# Altium PCB fpga.PcbDoc (part 7 of 11)
Units mm, origin at the board's own origin, x right, y up, seen from the top; angles counter-clockwise.
Board outline 210 x 210 mm, 2 copper layers (Top Layer, Bottom Layer), stack 1.591 mm thick; 639 components, 1839 nets, 4759 pads, 4016 vias.
Unrouted connection lines stored in the file: 10.
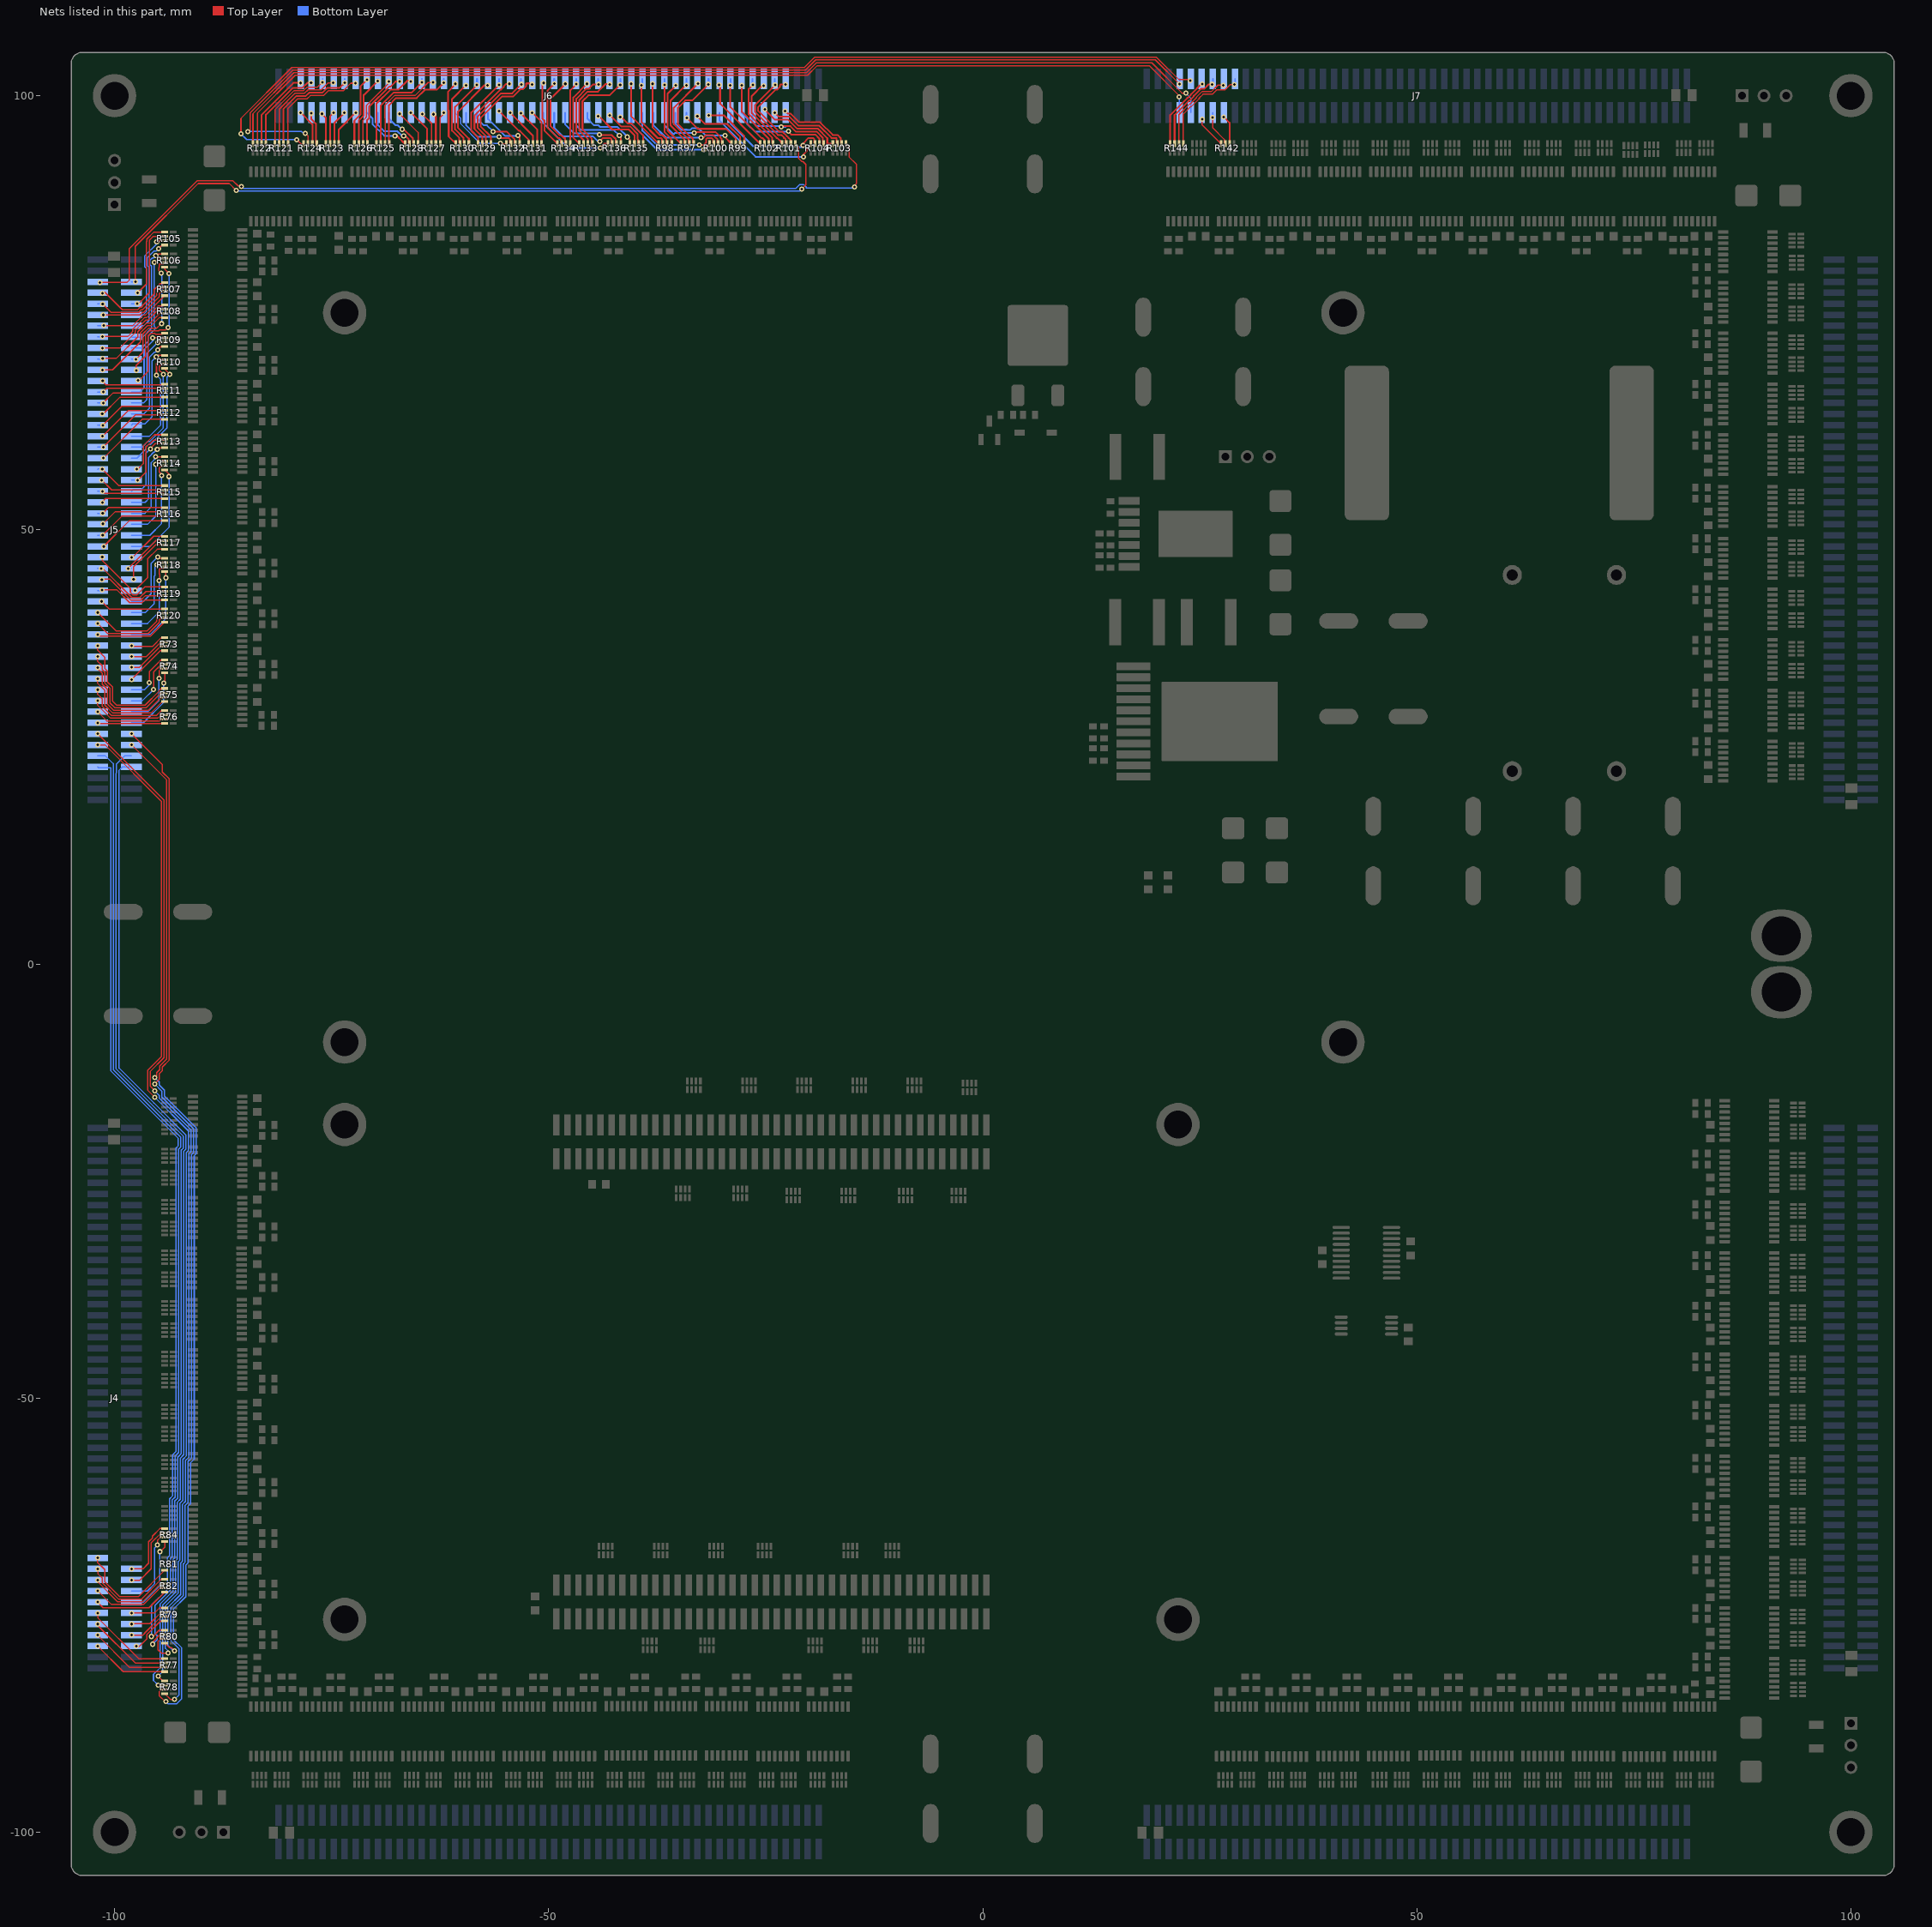
[diagram p7: the nets of this part, all layers, seen from the top]

## Via types
v1: diameter 0.6, hole 0.3, Top Layer to Bottom Layer, tented both sides, 3924 vias
v2: diameter 0.8, hole 0.4, Top Layer to Bottom Layer, tented both sides, 89 vias
v3: diameter 0.6, hole 0.3, Top Layer to Bottom Layer, 3 vias

## Nets (pads, with @x,y where several pads share a name; then routed paths per layer and width w, separated by ;. In a path a pad name is that pad's centre, name@x,y a point inside that pad or via, vN(x,y) a via of type N, cw(c..) or ccw(c..) an arc to the next point about the centre after c; other vN are vias at no path point) (continued)
NetJ4_80: J4.80 R81.8 | length 12
  Top Layer w0.15: v1(-101.95,-68.415) -101.956,-68.421 -101.956,-68.937 -101.125,-69.768 -101.125,-71.158 -99.396,-72.887 -97.271,-72.887 R81.8@-94.234,-69.85
NetJ4_81: J4.81 R84.5 | length 7.3
  Top Layer w0.15: v1(-98.05,-69.685) -96.736,-69.685 -96.083,-69.032 -96.083,-66.558 -95.649,-66.124 -95.649,-65.905 -94.779,-65.036 R84.5@-94.226,-65.036
NetJ4_82: J4.82 R82.5 | length 10.9
  Top Layer w0.15: v1(-101.95,-69.685) -101.95,-69.616 -101.93,-69.596 -101.93,-70.232 -101.425,-70.738 -101.425,-71.282 -99.52,-73.187 -96.936,-73.187 -94.623,-70.874 R82.5@-94.234,-70.874
NetJ4_83: J4.83 R84.6 | length 7.9
  Top Layer w0.15: v1(-98.05,-70.955) -98.044,-70.961 -98.044,-70.993 -97.104,-70.993 -95.783,-69.672 -95.783,-66.683 -94.637,-65.536 R84.6@-94.226,-65.536
NetJ4_84: J4.84 R82.6 | length 9.8
  Top Layer w0.15: v1(-101.95,-70.955) -101.937,-70.942 -101.905,-70.942 -101.905,-71.226 -99.644,-73.487 -96.804,-73.487 -94.691,-71.374 R82.6@-94.234,-71.374
NetJ4_85: J4.85 R84.7 | length 9.2
  Top Layer w0.15: v1(-95.072,-66.904) -95.072,-66.396 -94.666,-65.989 -94.619,-66.036 R84.7@-94.226,-66.036
  Bottom Layer w0.15: J4.85@-98.05,-72.225 -96.228,-72.225 -95.377,-71.374 -95.377,-67.234 -95.047,-66.904 v1(-95.072,-66.904)
NetJ4_86: J4.86 R82.7 | length 9.2
  Top Layer w0.15: v1(-101.93,-72.212) -100.355,-73.787 -96.672,-73.787 -94.759,-71.874 R82.7@-94.234,-71.874
  Bottom Layer w0.15: J4.86@-101.95,-72.225 -101.943,-72.225 v1(-101.93,-72.212)
NetJ4_87: J4.87 R84.8 | length 9.5
  Top Layer w0.15: v1(-94.793,-67.691) -94.793,-67.767 -94.226,-67.2 R84.8@-94.226,-66.536
  Bottom Layer w0.15: J4.87@-98.05,-73.495 -96.66,-73.495 -94.793,-71.628 v1(-94.793,-67.691)
NetJ4_88: J4.88 R82.8 | length 8.8
  Top Layer w0.15: v1(-101.95,-73.495) -101.994,-73.495 -101.321,-74.168 -96.028,-74.168 R82.8@-94.234,-72.374
NetJ4_89: J4.89 R79.5 | length 4.1
  Top Layer w0.15: v1(-98.05,-74.765) -95.415,-74.765 -94.83,-74.18 R79.5@-94.226,-74.18
NetJ4_90: J4.90 R77.5 | length 10.2
  Top Layer w0.15: v1(-101.95,-74.765) -101.918,-74.765 -101.918,-75.298 -101.93,-75.311 -97.223,-80.018 R77.5@-94.234,-80.018
NetJ4_91: J4.91 R79.6 | length 4.4
  Top Layer w0.15: v1(-98.05,-76.035) -98.012,-75.997 -95.936,-75.997 -94.619,-74.68 R79.6@-94.226,-74.68
NetJ4_92: J4.92 R77.6 | length 9.8
  Top Layer w0.15: v1(-101.95,-76.035) -101.95,-75.977 -101.956,-75.971 -101.956,-76.175 -97.612,-80.518 R77.6@-94.234,-80.518
NetJ4_93: J4.93 R79.7 | length 4.7
  Top Layer w0.15: v1(-98.05,-77.305) -96.719,-77.305 -96.583,-77.169 -96.583,-77.128 -94.635,-75.18 R79.7@-94.226,-75.18
NetJ4_94: J4.94 R77.7 | length 9.3
  Top Layer w0.15: v1(-101.95,-77.305) -101.95,-77.349 -98.281,-81.018 R77.7@-94.234,-81.018
NetJ4_95: J4.95 R79.8 | length 4.8
  Top Layer w0.15: v1(-97.485,-78.562) -97.485,-78.613 -97.159,-78.613 -96.283,-77.737 -96.283,-77.253 -94.71,-75.68 R79.8@-94.226,-75.68
NetJ4_96: J4.96 R77.8 | length 8.9
  Top Layer w0.15: v1(-101.95,-78.575) -99.007,-81.518 -95.214,-81.518 -95.213,-81.517 -94.235,-81.517 R77.8@-94.234,-81.518
NetJ5_7: J5.7 R80.5 | length 107.9
  Top Layer w0.15: v1(-95.758,-77.47) -95.67,-77.47 -95.631,-77.509 -94.854,-76.732 R80.5@-94.234,-76.732
  Bottom Layer w0.15: J5.7@-101.95,22.695 -101.861,22.606 -100.457,22.606 -100.457,-12.303 -92.703,-20.057 -92.703,-20.989 -92.928,-21.214 -92.928,-56.165 -93.334,-56.571 -93.334,-61.282 -93.668,-61.616 -93.668,-68.157 -93.893,-68.382 -93.893,-72.001 -95.758,-73.866 v1(-95.758,-77.47)
NetJ5_8: J5.8 R78.5 | length 111.4
  Top Layer w0.15: v1(-94.996,-82.042) -94.476,-82.562 R78.5@-94.226,-82.562
  Bottom Layer w0.15: J5.8@-98.05,22.695 -99.098,22.695 -99.475,22.318 -99.475,-12.011 -95.484,-16.002 -91.803,-19.684 -91.803,-21.362 -92.028,-21.587 -92.028,-56.537 -92.434,-56.944 -92.434,-61.655 -92.768,-61.989 -92.768,-68.53 -92.993,-68.755 -92.993,-72.374 -94.442,-73.823 -94.442,-81.488 v1(-94.996,-82.042)
NetJ5_9: J5.9 R80.6 | length 110.3
  Top Layer w0.15: v1(-95.631,-78.359) -95.631,-78.105 -94.758,-77.232 R80.6@-94.234,-77.232
  Bottom Layer w0.15: J5.9@-101.95,23.965 -101.054,23.965 -100.157,23.068 -100.157,-12.179 -92.403,-19.933 -92.403,-21.113 -92.628,-21.338 -92.628,-56.289 -93.034,-56.695 -93.034,-61.406 -93.368,-61.74 -93.368,-68.281 -93.593,-68.506 -93.593,-72.125 -95.331,-73.863 -95.331,-77.155 -95.106,-77.38 -95.106,-77.834 v1(-95.631,-78.359)
NetJ5_10: J5.10 R78.6 | length 113.8
  Top Layer w0.15: v1(-94.996,-83.058) -94.23,-83.058 R78.6@-94.226,-83.062
  Bottom Layer w0.15: J5.10@-98.05,23.965 -98.844,23.965 -99.775,23.034 -99.775,22.018 -99.822,21.971 -99.822,-12.089 -92.103,-19.809 -92.103,-21.238 -92.328,-21.463 -92.328,-56.413 -92.734,-56.82 -92.734,-61.531 -93.068,-61.864 -93.068,-68.406 -93.293,-68.631 -93.293,-72.249 -94.742,-73.699 -94.742,-81.046 -95.521,-81.825 -95.521,-82.533 v1(-94.996,-83.058)
NetJ5_11: J5.11 R80.7 | length 115.1
  Top Layer w0.15: v1(-101.95,25.235) -101.104,25.235 -94.6,18.731 -94.6,-10.676 -96.202,-12.278 -96.202,-14.522 -95.377,-15.347 v1(-95.377,-15.367) ; R80.7@-94.234,-77.732 -94.704,-77.732 -94.996,-78.024 -94.996,-78.994 -94.615,-79.375 v1(-93.853,-79.375)
  Bottom Layer w0.15: v1(-95.377,-15.367) -91.503,-19.241 -91.503,-21.486 -91.728,-21.711 -91.728,-56.662 -92.134,-57.068 -92.134,-61.779 -92.468,-62.113 -92.468,-68.654 -92.693,-68.879 -92.693,-72.498 -94.142,-73.947 -94.142,-78.832 -93.853,-79.121 v1(-93.853,-79.375)
NetJ5_12: J5.12 R78.7 | length 120
  Top Layer w0.15: v1(-98.05,25.235) -94,21.185 -94,-10.945 -94.8,-11.745 -94.8,-12.166 -95.152,-12.518 -95.152,-12.856 v1(-95.377,-13.081) ; R78.7@-94.226,-83.562 -94.611,-83.562 -94.869,-83.82 -94.869,-84.287 -94.193,-84.963 v1(-94.107,-84.963)
  Bottom Layer w0.15: v1(-95.377,-13.081) -94.852,-13.606 -94.852,-13.944 -94.252,-14.544 -94.252,-15.219 -90.603,-18.869 -90.603,-21.859 -90.828,-22.084 -90.828,-57.034 -91.234,-57.441 -91.234,-62.152 -91.568,-62.486 -91.568,-69.027 -91.793,-69.252 -91.793,-72.871 -93.242,-74.32 -93.242,-77.803 -92.266,-78.779 -92.266,-84.626 -92.874,-85.234 -93.836,-85.234 v1(-94.107,-84.963)
NetJ5_13: J5.13 R80.8 | length 114.6
  Top Layer w0.15: v1(-101.95,26.505) -94.3,18.855 -94.3,-10.8 -95.902,-12.402 -95.902,-14.06 v1@-95.377,-14.585 ; v1(-95.377,-14.605) v1@-95.377,-14.585 ; R80.8@-94.234,-78.232 -93.726,-78.74 -93.472,-78.74 v1(-93.091,-79.121) ; v1@-95.377,-14.585 -95.352,-14.56 v1@-95.377,-14.585
  Bottom Layer w0.15: v1(-95.377,-14.605) -95.377,-14.625 -94.852,-15.15 -94.852,-15.468 -91.203,-19.117 -91.203,-21.61 -91.428,-21.835 -91.428,-56.786 -91.834,-57.192 -91.834,-61.903 -92.168,-62.237 -92.168,-68.778 -92.393,-69.003 -92.393,-72.622 -93.842,-74.071 -93.842,-78.497 -93.091,-79.248 v1(-93.091,-79.121)
NetJ5_14: J5.14 R78.8 | length 118.7
  Top Layer w0.15: v1(-98.05,26.505) -94.5,22.955 -94.5,22.109 -93.7,21.309 -93.7,-11.069 -94.5,-11.869 -94.5,-12.291 -94.852,-12.643 -94.852,-13.298 -95.397,-13.843 v1(-95.377,-13.843) ; R78.8@-94.226,-84.062 -93.579,-84.709 v1(-93.091,-84.709)
  Bottom Layer w0.15: v1(-95.377,-13.843) -94.552,-14.668 -94.552,-15.343 -90.903,-18.993 -90.903,-21.735 -91.128,-21.96 -91.128,-56.91 -91.534,-57.317 -91.534,-62.028 -91.868,-62.361 -91.868,-68.903 -92.093,-69.128 -92.093,-72.746 -93.542,-74.196 -93.542,-77.928 -92.566,-78.904 -92.566,-84.184 v1(-93.091,-84.709)
NetJ5_15: J5.15 R76.8 | length 7.9
  Top Layer w0.15: v1(-101.95,27.775) -101.981,27.744 -101.981,27.686 -101.965,27.702 R76.8@-94.234,27.702
NetJ5_16: J5.16 R74.8 | length 8.1
  Top Layer w0.15: v1(-94.339,32.363) -94.218,32.483 R74.8@-94.218,33.536
  Bottom Layer w0.15: J5.16@-98.05,27.775 -96.685,27.775 -94.339,30.121 v1(-94.339,32.363)
NetJ5_17: J5.17 R76.7 | length 8.2
  Top Layer w0.15: v1(-101.95,29.045) -100.907,28.002 -94.802,28.002 -94.602,28.202 R76.7@-94.234,28.202
NetJ5_18: J5.18 R74.7 | length 7.9
  Top Layer w0.15: v1(-94.869,32.893) -94.869,33.782 -94.615,34.036 R74.7@-94.218,34.036
  Bottom Layer w0.15: J5.18@-98.05,29.045 -96.177,29.045 -94.886,30.336 -94.886,32.876 v1(-94.869,32.893)
NetJ5_19: J5.19 R76.6 | length 9.1
  Top Layer w0.15: v1(-101.95,30.315) -101.981,30.346 -101.981,29.818 -100.465,28.302 -95.015,28.302 -94.615,28.702 R76.6@-94.234,28.702
NetJ5_20: J5.20 R74.6 | length 6.7
  Top Layer w0.15: v1(-95.504,31.623) -95.504,32.151 -95.487,32.168 -95.487,33.635 -94.711,34.411 -94.343,34.411 R74.6@-94.218,34.536
  Bottom Layer w0.15: J5.20@-98.05,30.315 -96.812,30.315 v1(-95.504,31.623)
NetJ5_21: J5.21 R76.5 | length 10
  Top Layer w0.15: v1(-101.95,31.585) -101.95,31.057 -101.425,30.532 -101.425,29.687 -100.34,28.602 -95.202,28.602 -94.602,29.202 R76.5@-94.234,29.202
NetJ5_22: J5.22 R74.5 | length 6.3
  Top Layer w0.15: v1(-96.012,32.385) -96.012,33.655 -94.631,35.036 R74.5@-94.218,35.036
  Bottom Layer w0.15: J5.22@-98.05,31.585 -96.558,31.585 -95.885,32.258 v1(-96.012,32.385)
NetJ5_23: J5.23 R75.8 | length 11.2
  Top Layer w0.15: v1(-101.95,32.855) -101.981,32.824 -101.981,32.358 -101.125,31.502 -101.125,29.811 -100.216,28.902 -95.812,28.902 -94.48,30.234 R75.8@-94.218,30.234
NetJ5_24: J5.24 R73.8 | length 5.3
  Top Layer w0.15: v1(-98.044,32.766) -94.73,36.08 R73.8@-94.226,36.08
  Bottom Layer w0.15: J5.24@-98.05,32.855 -98.05,32.772 v1(-98.044,32.766)
NetJ5_25: J5.25 R75.7 | length 12.2
  Top Layer w0.15: v1(-101.95,34.125) -101.981,34.094 -101.981,34.036 -101.425,33.48 -101.425,32.227 -100.825,31.627 -100.825,29.935 -100.092,29.202 -96.147,29.202 -94.615,30.734 R75.7@-94.218,30.734
NetJ5_26: J5.26 R73.7 | length 4.8
  Top Layer w0.15: v1(-98.044,34.163) -97.155,34.163 -94.738,36.58 R73.7@-94.226,36.58
NetJ5_27: J5.27 R75.6 | length 13.2
  Top Layer w0.15: v1(-101.95,35.395) -101.981,35.364 -101.981,34.898 -101.425,34.342 -101.425,33.904 -101.125,33.604 -101.125,32.351 -100.525,31.751 -100.525,30.06 -99.968,29.502 -96.355,29.502 -94.623,31.234 R75.6@-94.218,31.234
NetJ5_28: J5.28 R73.6 | length 4.5
  Top Layer w0.15: v1(-98.05,35.395) -96.347,35.395 -94.662,37.08 R73.6@-94.226,37.08
NetJ5_29: J5.29 R75.5 | length 14.2
  Top Layer w0.15: v1(-101.95,36.665) -101.95,36.137 -101.125,35.312 -101.125,34.029 -100.825,33.729 -100.825,32.475 -100.225,31.875 -100.225,30.248 -99.779,29.802 -96.479,29.802 -94.869,31.412 -94.869,31.496 -94.631,31.734 R75.5@-94.218,31.734
NetJ5_30: J5.30 R73.5 | length 4.3
  Top Layer w0.15: v1(-98.05,36.665) -97.961,36.576 -95.631,36.576 -94.627,37.58 R73.5@-94.226,37.58
NetJ5_31: J5.31 R120.8 | length 8.5
  Top Layer w0.15: v1(-101.95,37.935) -101.769,37.754 -95.854,37.754 R120.8@-94.226,39.382
NetJ5_32: J5.32 R118.8 | length 10.2
  Top Layer w0.15: R118.8@-94.234,45.212 -94.107,45.085 v1(-94.107,44.475)
  Bottom Layer w0.15: J5.32@-98.05,37.935 -95.923,37.935 -94.107,39.751 v1(-94.107,44.475)
NetJ5_33: J5.33 R120.7 | length 9.1
  Top Layer w0.15: v1(-101.95,39.205) -100.799,38.054 -96.13,38.054 -94.851,39.333 -94.851,39.625 -94.594,39.882 R120.7@-94.226,39.882
NetJ5_34: J5.34 R118.7 | length 9.4
  Top Layer w0.15: v1(-94.869,44.171) -94.818,44.221 -94.818,44.887 -94.859,44.928 -94.859,45.455 -94.727,45.587 -94.359,45.587 R118.7@-94.234,45.712
  Bottom Layer w0.15: J5.34@-98.05,39.205 -96.202,39.205 -94.869,40.538 v1(-94.869,44.171)
NetJ5_35: J5.35 R120.6 | length 9.7
  Top Layer w0.15: v1(-101.95,40.475) -101.943,40.475 -99.822,38.354 -96.254,38.354 -95.151,39.457 -95.151,39.825 -94.594,40.382 R120.6@-94.226,40.382
NetJ5_36: J5.36 R118.6 | length 8.8
  Top Layer w0.15: v1(-95.123,45.999) -94.91,46.212 R118.6@-94.234,46.212
  Bottom Layer w0.15: J5.36@-98.05,40.475 -96.456,40.475 -95.428,41.504 -95.428,44.679 -95.326,44.78 -95.326,45.771 -95.072,46.025 -95.098,46.025 v1(-95.123,45.999)
NetJ5_37: J5.37 R120.5 | length 7.6
  Top Layer w0.15: v1(-101.498,41.758) -100.623,40.882 R120.5@-94.226,40.882
NetJ5_38: J5.38 R118.5 | length 8.1
  Top Layer w0.15: v1(-95.021,46.888) -94.845,46.712 R118.5@-94.234,46.712
  Bottom Layer w0.15: J5.38@-98.05,41.745 -98.037,41.758 -96.672,41.758 -95.783,42.647 -95.783,46.126 v1(-95.021,46.888)
NetJ5_39: J5.39 R119.8 | length 8.5
  Top Layer w0.15: v1(-101.448,43.078) -99.729,43.078 -98.253,41.603 -96.842,41.603 -96.523,41.922 R119.8@-94.226,41.922
  Bottom Layer w0.15: J5.39@-101.95,43.015 -101.511,43.015 v1(-101.448,43.078)
NetJ5_40: J5.40 R117.8 | length 7.1
  Top Layer w0.15: v1(-97.663,43.028) -96.19,44.501 -96.19,46.66 -95.086,47.764 R117.8@-94.226,47.764
  Bottom Layer w0.15: J5.40@-98.05,43.015 -97.676,43.015 v1(-97.663,43.028)
NetJ5_41: J5.41 R119.7 | length 8.5
  Top Layer w0.15: v1(-101.473,44.272) -101.422,44.323 -100.549,44.323 -98.129,41.903 -96.967,41.903 -96.447,42.422 R119.7@-94.226,42.422
NetJ5_42: J5.42 R117.7 | length 6.1
  Top Layer w0.15: v1(-97.815,44.298) -97.815,45.745 -95.297,48.264 R117.7@-94.226,48.264
NetJ5_43: J5.43 R119.6 | length 9.5
  Top Layer w0.15: v1(-101.524,45.542) -101.344,45.542 -98.005,42.203 -97.091,42.203 -96.393,42.901 -94.247,42.901 R119.6@-94.226,42.922
  Bottom Layer w0.15: J5.43@-101.95,45.555 -101.486,45.555 -101.473,45.542 v1(-101.524,45.542)
NetJ5_44: J5.44 R117.6 | length 6
  Top Layer w0.15: v1(-98.45,45.542) -95.229,48.764 R117.6@-94.226,48.764
  Bottom Layer w0.15: v1(-98.45,45.542) -98.438,45.555 J5.44@-98.05,45.555
NetJ5_45: J5.45 R119.5 | length 9.9
  Top Layer w0.15: v1(-101.422,46.863) -101.422,46.479 -98.188,43.245 -98.188,42.81 -97.88,42.503 -97.446,42.503 -96.526,43.422 R119.5@-94.226,43.422
NetJ5_46: J5.46 R117.5 | length 4.9
  Top Layer w0.15: v1(-98.05,46.825) -98.05,46.818 -97.993,46.761 -95.491,49.264 R117.5@-94.226,49.264
NetJ5_47: J5.47 R116.8 | length 8.3
  Top Layer w0.15: v1(-101.27,48.082) -98.286,51.066 R116.8@-94.226,51.066
NetJ5_48: J5.48 R114.8 | length 12.1
  Top Layer w0.15: R114.8@-94.226,56.908 -93.726,56.408 v1(-93.726,56.134)
  Bottom Layer w0.15: J5.48@-98.05,48.095 -95.923,48.095 -93.701,50.317 -93.701,56.159 v1(-93.726,56.134)
NetJ5_49: J5.49 R116.7 | length 8.6
  Top Layer w0.15: v1(-101.371,49.378) -99.183,51.566 R116.7@-94.226,51.566
  Bottom Layer w0.15: J5.49@-101.95,49.365 -101.384,49.365 v1(-101.371,49.378)
NetJ5_50: J5.50 R114.7 | length 11.4
  Top Layer w0.15: v1(-94.59,56.261) -94.513,56.337 -94.513,56.363 -94.684,56.533 -94.719,56.533 -94.851,56.665 -94.851,57.151 -94.719,57.283 -94.351,57.283 R114.7@-94.226,57.408
  Bottom Layer w0.15: J5.50@-98.05,49.365 -95.948,49.365 -94.59,50.724 v1(-94.59,56.261)
NetJ5_51: J5.51 R116.6 | length 7.7
  Top Layer w0.15: v1(-101.346,50.698) -101.346,50.673 -99.953,52.066 R116.6@-94.226,52.066
NetJ5_52: J5.52 R114.6 | length 10.3
  Top Layer w0.15: v1(-95.25,57.531) -94.873,57.908 R114.6@-94.226,57.908
  Bottom Layer w0.15: J5.52@-98.05,50.635 -96.202,50.635 -95.25,51.587 v1(-95.25,57.531)
NetJ5_53: J5.53 R116.5 | length 8
  Top Layer w0.15: v1(-101.371,51.892) -100.698,52.566 R116.5@-94.226,52.566
  Bottom Layer w0.15: J5.53@-101.95,51.905 -101.384,51.905 v1(-101.371,51.892)
NetJ5_54: J5.54 R114.5 | length 9.6
  Top Layer w0.15: v1(-95.275,58.42) -94.238,58.42 R114.5@-94.226,58.408
  Bottom Layer w0.15: J5.54@-98.05,51.905 -96.507,51.905 -95.775,52.637 -95.775,57.748 -95.275,58.248 v1(-95.275,58.42)
NetJ5_55: J5.55 R115.8 | length 7.4
  Top Layer w0.15: v1(-101.397,53.162) -101.448,53.213 -101.067,53.594 R115.8@-94.234,53.594
NetJ5_56: J5.56 R113.8 | length 9.2
  Top Layer w0.15: v1(-95.098,59.258) -94.908,59.448 R113.8@-94.226,59.448
  Bottom Layer w0.15: J5.56@-98.05,53.175 -96.482,53.175 -96.075,53.582 -96.075,58.363 -95.493,58.945 -95.411,58.945 v1(-95.098,59.258)
NetJ5_57: J5.57 R115.7 | length 7.9
  Top Layer w0.15: v1(-101.397,54.432) -101.184,54.219 -94.359,54.219 R115.7@-94.234,54.094
  Bottom Layer w0.15: J5.57@-101.95,54.445 -101.41,54.445 v1(-101.397,54.432)
NetJ5_58: J5.58 R113.7 | length 8.3
  Top Layer w0.15: v1(-95.86,59.334) -95.86,59.385 -95.297,59.948 R113.7@-94.226,59.948
  Bottom Layer w0.15: J5.58@-98.05,54.445 -97.86,54.635 -96.926,54.635 -96.375,55.187 -96.375,58.819 v1(-95.86,59.334)
NetJ5_59: J5.59 R115.6 | length 7.8
  Top Layer w0.15: v1(-101.498,55.728) -101.498,55.753 -100.339,54.594 R115.6@-94.234,54.594
NetJ5_60: J5.60 R113.6 | length 7.5
  Top Layer w0.15: v1(-97.333,55.702) -96.393,56.642 -96.393,59.543 -96.077,59.859 -95.995,59.859 -95.531,60.323 -94.351,60.323 R113.6@-94.226,60.448
  Bottom Layer w0.15: J5.60@-98.05,55.715 -97.346,55.715 v1(-97.333,55.702)
NetJ5_61: J5.61 R115.5 | length 8.5
  Top Layer w0.15: v1(-101.422,56.998) -99.519,55.094 R115.5@-94.234,55.094
  Bottom Layer w0.15: J5.61@-101.95,56.985 -101.937,56.998 v1(-101.422,56.998)
NetJ5_62: J5.62 R113.5 | length 6.1
  Top Layer w0.15: v1(-97.434,56.998) -97.409,56.972 -97.409,56.921 -96.693,57.637 -96.693,59.668 -95.413,60.948 R113.5@-94.226,60.948
NetJ5_63: J5.63 R112.8 | length 9
  Top Layer w0.15: v1(-101.295,58.293) -101.295,58.242 -96.791,62.746 R112.8@-94.234,62.746
NetJ5_64: J5.64 R110.8 | length 12.9
  Top Layer w0.15: R110.8@-94.226,68.592 -94.226,68.521 v1(-93.624,67.92)
  Bottom Layer w0.15: J5.64@-98.05,58.255 -97.432,58.255 -96.625,59.062 -96.625,59.077 -96.385,59.317 -96.385,59.552 -96.077,59.859 -95.843,59.859 -93.955,61.747 -93.955,67.589 v1(-93.624,67.92)
NetJ5_65: J5.65 R112.7 | length 9.3
  Top Layer w0.15: v1(-101.295,59.538) -97.587,63.246 R112.7@-94.234,63.246
  Bottom Layer w0.15: J5.65@-101.95,59.525 -101.308,59.525 v1(-101.295,59.538)
NetJ5_66: J5.66 R110.7 | length 12.7
  Top Layer w0.15: v1(-94.386,67.92) -94.386,67.97 -94.633,68.217 -94.719,68.217 -94.851,68.349 -94.851,68.835 -94.719,68.967 -94.351,68.967 R110.7@-94.226,69.092
  Bottom Layer w0.15: J5.66@-98.05,59.525 -96.685,59.525 -96.685,59.676 -96.201,60.159 -95.967,60.159 -94.386,61.74 v1(-94.386,67.92)
NetJ5_67: J5.67 R112.6 | length 8.4
  Top Layer w0.15: v1(-101.397,60.782) -98.433,63.746 R112.6@-94.234,63.746
NetJ5_68: J5.68 R110.6 | length 12.3
  Top Layer w0.15: v1(-95.174,67.818) -95.174,69.19 -94.771,69.592 R110.6@-94.226,69.592
  Bottom Layer w0.15: J5.68@-98.05,60.795 -95.974,60.795 -94.686,62.082 -94.686,67.331 v1(-95.174,67.818)
NetJ5_69: J5.69 R112.5 | length 8.6
  Top Layer w0.15: v1(-101.346,62.052) -99.152,64.246 R112.5@-94.234,64.246
  Bottom Layer w0.15: J5.69@-101.95,62.065 -101.359,62.065 v1(-101.346,62.052)
NetJ5_70: J5.70 R110.5 | length 10.9
  Top Layer w0.15: v1(-95.199,69.926) -95.033,70.092 R110.5@-94.226,70.092
  Bottom Layer w0.15: J5.70@-98.05,62.065 -97.91,62.205 -96.495,62.205 -95.707,62.992 -95.707,69.418 v1(-95.199,69.926)
NetJ5_71: J5.71 R111.8 | length 8.2
  Top Layer w0.15: v1(-101.422,63.373) -101.422,63.246 -99.382,65.286 R111.8@-94.218,65.286
NetJ5_72: J5.72 R109.8 | length 10.5
  Top Layer w0.15: v1(-95.047,70.739) -94.654,71.132 R109.8@-94.226,71.132
  Bottom Layer w0.15: J5.72@-98.05,63.335 -96.66,63.335 -96.007,63.987 -96.007,69.861 -95.417,70.451 -95.335,70.451 v1(-95.047,70.739)
NetJ5_73: J5.73 R111.7 | length 8.2
  Top Layer w0.15: v1(-101.321,64.618) -100.152,65.786 R111.7@-94.218,65.786
  Bottom Layer w0.15: J5.73@-101.95,64.605 -101.333,64.605 v1(-101.321,64.618)
NetJ5_74: J5.74 R109.7 | length 10.1
  Top Layer w0.15: v1(-95.047,71.577) -95.174,71.577 -95.119,71.632 R109.7@-94.226,71.632
  Bottom Layer w0.15: J5.74@-98.05,64.605 -96.685,64.605 -96.307,64.983 -96.307,70.317 v1(-95.047,71.577)
NetJ5_75: J5.75 R111.6 | length 7.9